# Altium PCB smallLCboard.PcbDoc (part 3 of 4)
Units mil, origin at the board's own origin, x right, y up, seen from the top; angles counter-clockwise.
Board outline 3761.03 x 3206.38 mil, 2 copper layers (Top Layer, Bottom Layer); 200 components, 0 nets, 2312 pads, 320 vias.
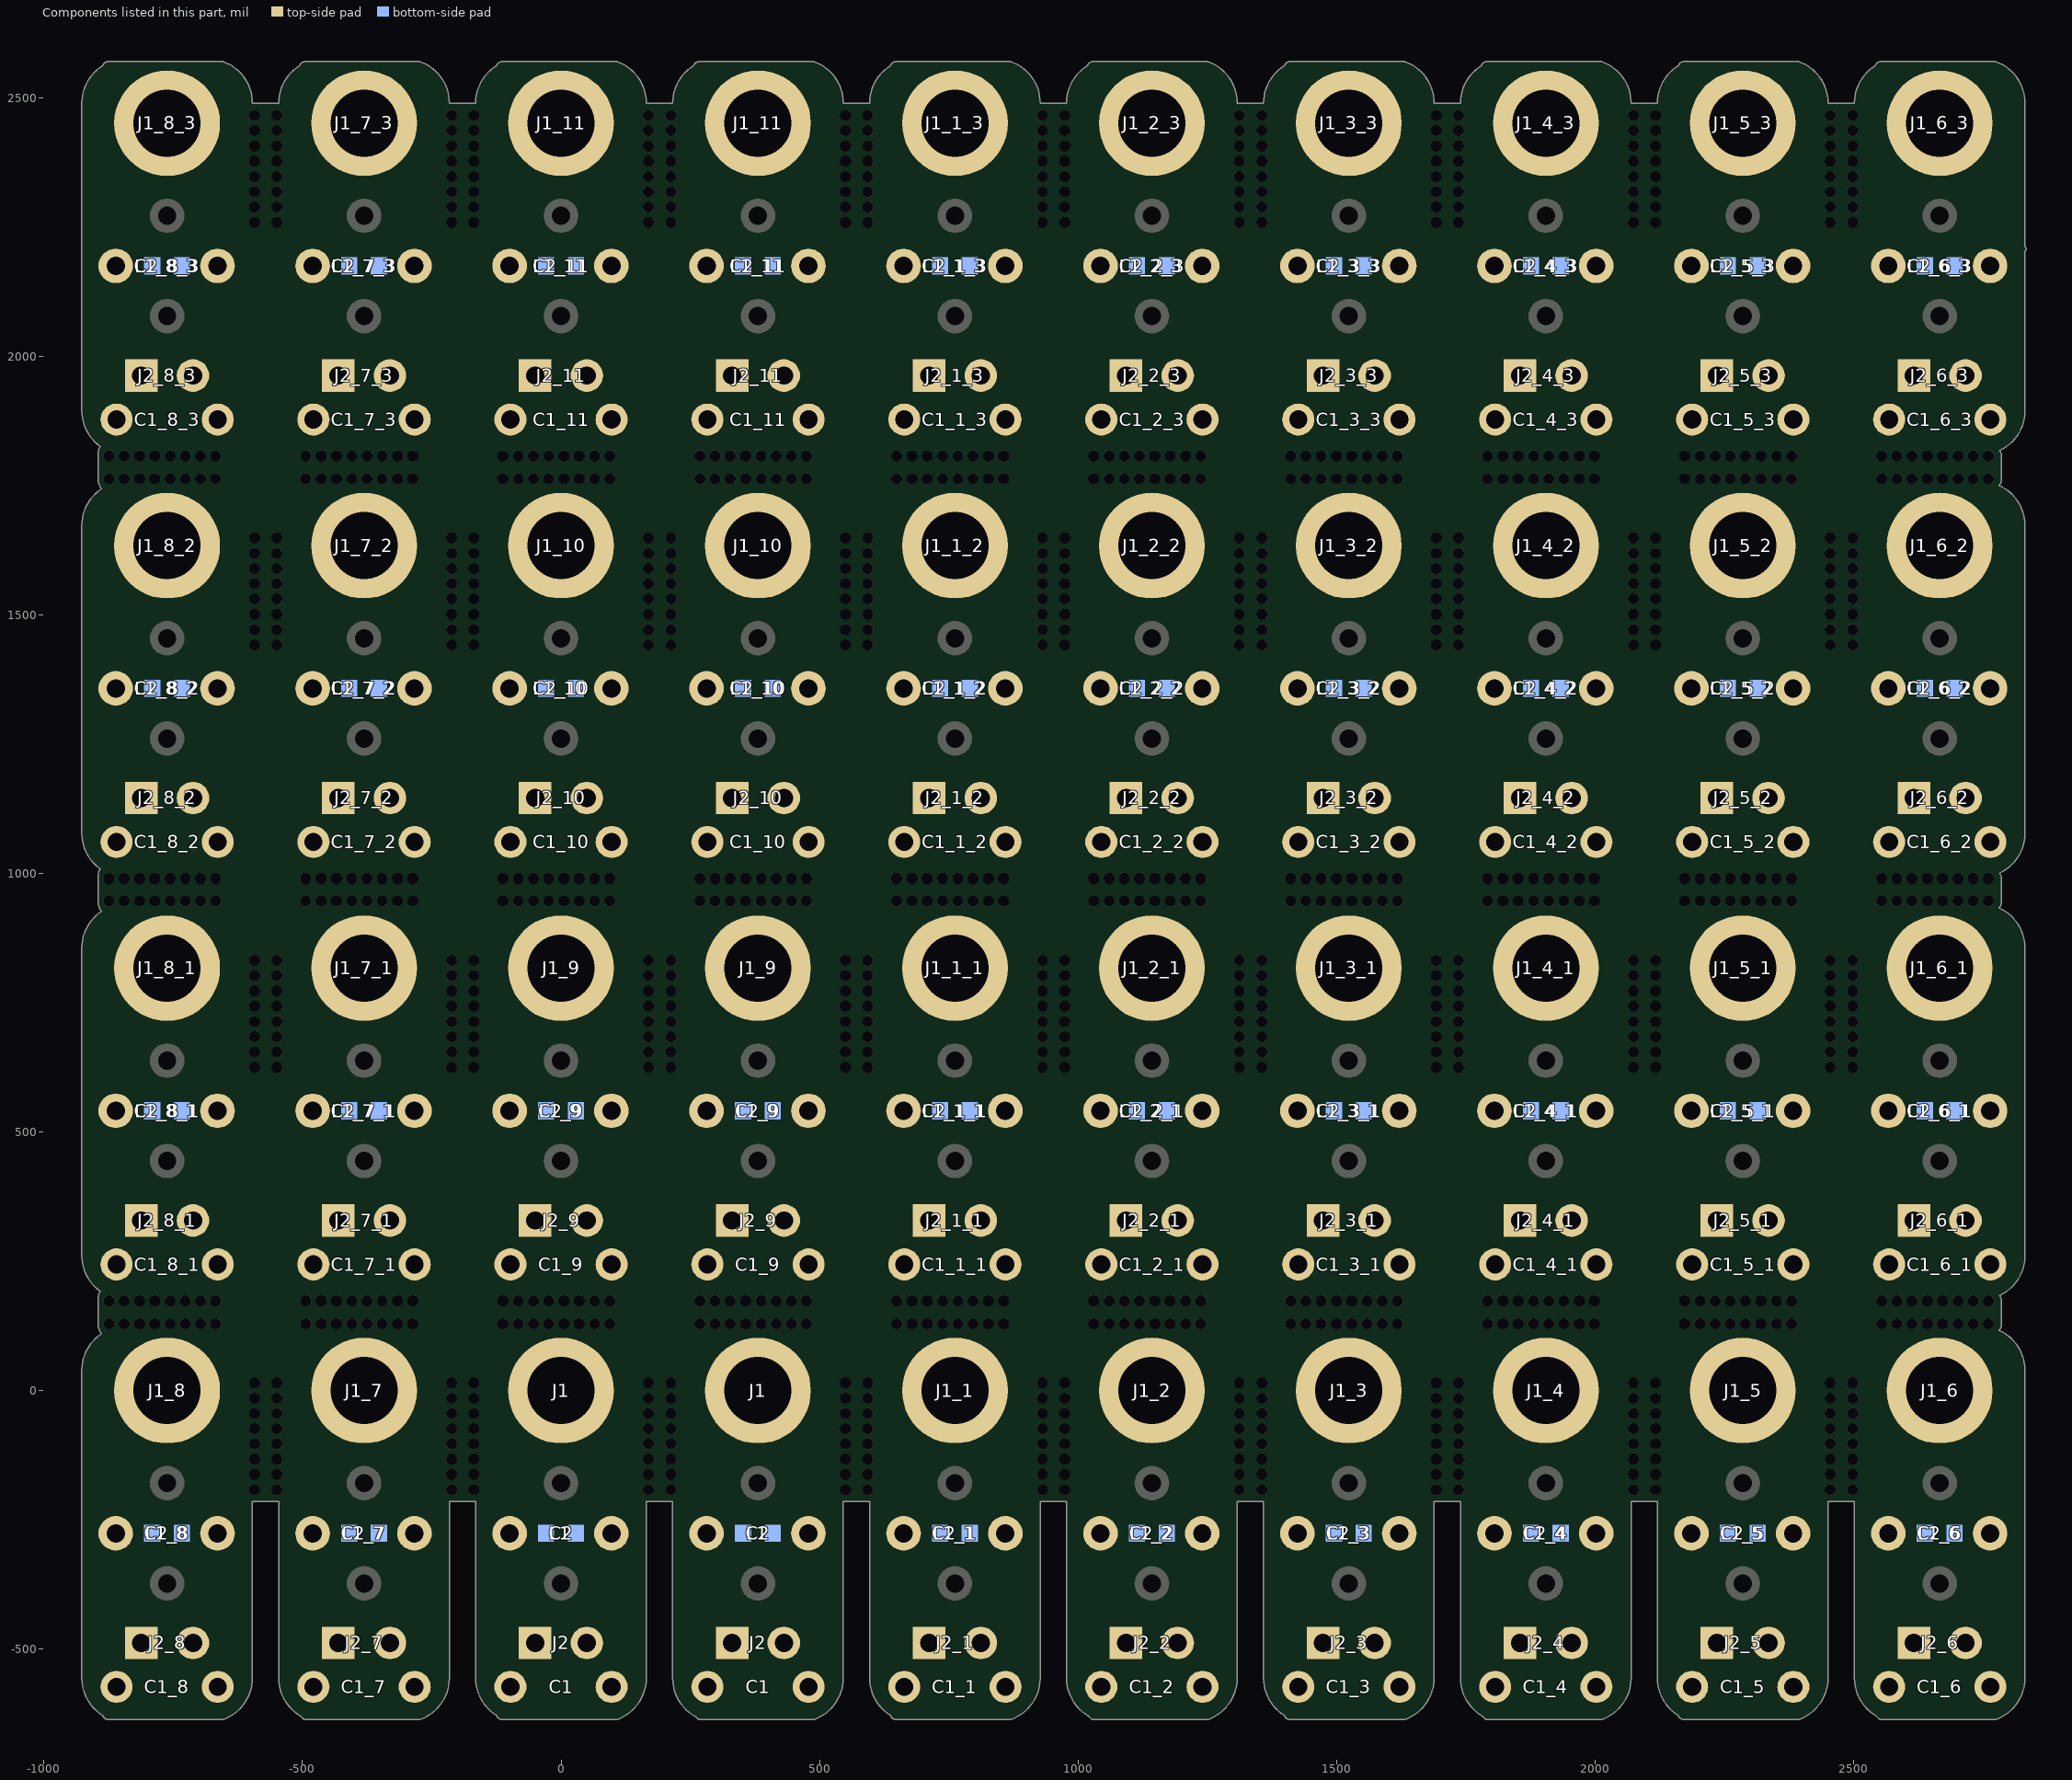
[diagram p3: the components of this part, seen from the top]

## Via types
v1: diameter 30, hole 15, Top Layer to Bottom Layer, 320 vias

## Nets (pads, with @x,y where several pads share a name; then routed paths per layer and width w, separated by ;. In a path a pad name is that pad's centre, name@x,y a point inside that pad or via, vN(x,y) a via of type N, cw(c..) or ccw(c..) an arc to the next point about the centre after c; other vN are vias at no path point) (continued)
copper on no net: | length 52901.5
  Bottom Layer w15: -832.14,-467.86 -812,-488 cw(c-901.53,-488) -838.22,-551.31 -859.92,-573 -859.92,-279.64 ccw(c-865.07,-279.64) -861.43,-276 -790.74,-276 -790.74,-303.61 ccw(c-692.61,-303.61) -762,-373 ; -832.14,349.14 -812,329 cw(c-901.53,329) -838.22,265.69 -859.92,244 -859.92,537.36 ccw(c-865.07,537.36) -861.43,541 -790.74,541 -790.74,513.39 ccw(c-692.61,513.39) -762,444 ; -832.14,1166.14 -812,1146 cw(c-901.53,1146) -838.22,1082.69 -859.92,1061 -859.92,1354.36 ccw(c-865.07,1354.36) -861.43,1358 -790.74,1358 -790.74,1330.39 ccw(c-692.61,1330.39) -762,1261 ; -832.14,1983.14 -812,1963 cw(c-901.53,1963) -838.22,1899.69 -859.92,1878 -859.92,2171.36 ccw(c-865.07,2171.36) -861.43,2175 -790.74,2175 -790.74,2147.39 ccw(c-692.61,2147.39) -762,2078 ; -762,-179 cw(c-831.39,-248.39) -733.26,-248.39 -733.26,-276 -664.57,-276 ; -762,638 cw(c-831.39,568.61) -733.26,568.61 -733.26,541 -664.57,541 ; -762,1455 cw(c-831.39,1385.61) -733.26,1385.61 -733.26,1358 -664.57,1358 ; -762,2272 cw(c-831.39,2202.61) -733.26,2202.61 -733.26,2175 -664.57,2175 ; -693.86,-469.86 -712,-488 ccw(c-622.47,-488) -685.78,-551.31 -664.08,-573 -664.08,-277.19 ccw(c-665.76,-277.19) -664.57,-276 ; -693.86,347.14 -712,329 ccw(c-622.47,329) -685.78,265.69 -664.08,244 -664.08,539.81 ccw(c-665.76,539.81) -664.57,541 ; -693.86,1164.14 -712,1146 ccw(c-622.47,1146) -685.78,1082.69 -664.08,1061 -664.08,1356.81 ccw(c-665.76,1356.81) -664.57,1358 ; -693.86,1981.14 -712,1963 ccw(c-622.47,1963) -685.78,1899.69 -664.08,1878 -664.08,2173.81 ccw(c-665.76,2173.81) -664.57,2175 ; -664.57,-399.15 -664.57,-276 ; -664.57,417.85 -664.57,541 ; -664.57,1234.85 -664.57,1358 ; -664.57,2051.85 -664.57,2175 ; -451.14,-467.86 -431,-488 cw(c-520.53,-488) -457.22,-551.31 -478.92,-573 -478.92,-279.64 ccw(c-484.07,-279.64) -480.43,-276 -409.74,-276 -409.74,-303.61 ccw(c-311.61,-303.61) -381,-373 ; -451.14,349.14 -431,329 cw(c-520.53,329) -457.22,265.69 -478.92,244 -478.92,537.36 ccw(c-484.07,537.36) -480.43,541 -409.74,541 -409.74,513.39 ccw(c-311.61,513.39) -381,444 ; -451.14,1166.14 -431,1146 cw(c-520.53,1146) -457.22,1082.69 -478.92,1061 -478.92,1354.36 ccw(c-484.07,1354.36) -480.43,1358 -409.74,1358 -409.74,1330.39 ccw(c-311.61,1330.39) -381,1261 ; -451.14,1983.14 -431,1963 cw(c-520.53,1963) -457.22,1899.69 -478.92,1878 -478.92,2171.36 ccw(c-484.07,2171.36) -480.43,2175 -409.74,2175 -409.74,2147.39 ccw(c-311.61,2147.39) -381,2078 ; -381,-179 cw(c-450.39,-248.39) -352.26,-248.39 -352.26,-276 -283.57,-276 ; -381,638 cw(c-450.39,568.61) -352.26,568.61 -352.26,541 -283.57,541 ; -381,1455 cw(c-450.39,1385.61) -352.26,1385.61 -352.26,1358 -283.57,1358 ; -381,2272 cw(c-450.39,2202.61) -352.26,2202.61 -352.26,2175 -283.57,2175 ; -312.86,-469.86 -331,-488 ccw(c-241.47,-488) -304.78,-551.31 -283.08,-573 -283.08,-277.19 ccw(c-284.76,-277.19) -283.57,-276 ; -312.86,347.14 -331,329 ccw(c-241.47,329) -304.78,265.69 -283.08,244 -283.08,539.81 ccw(c-284.76,539.81) -283.57,541 ; -312.86,1164.14 -331,1146 ccw(c-241.47,1146) -304.78,1082.69 -283.08,1061 -283.08,1356.81 ccw(c-284.76,1356.81) -283.57,1358 ; -312.86,1981.14 -331,1963 ccw(c-241.47,1963) -304.78,1899.69 -283.08,1878 -283.08,2173.81 ccw(c-284.76,2173.81) -283.57,2175 ; -283.57,-399.15 -283.57,-276 ; -283.57,417.85 -283.57,541 ; -283.57,1234.85 -283.57,1358 ; -283.57,2051.85 -283.57,2175 ; -70.14,-467.86 -50,-488 cw(c-139.53,-488) -76.22,-551.31 -97.92,-573 -97.92,-279.64 ccw(c-103.07,-279.64) -99.43,-276 -28.74,-276 -28.74,-303.61 ccw(c69.39,-303.61) 0,-373 ; -70.14,349.14 -50,329 cw(c-139.53,329) -76.22,265.69 -97.92,244 -97.92,537.36 ccw(c-103.07,537.36) -99.43,541 -28.74,541 -28.74,513.39 ccw(c69.39,513.39) 0,444 ; -70.14,1166.14 -50,1146 cw(c-139.53,1146) -76.22,1082.69 -97.92,1061 -97.92,1354.36 ccw(c-103.07,1354.36) -99.43,1358 -28.74,1358 -28.74,1330.39 ccw(c69.39,1330.39) 0,1261 ; -70.14,1983.14 -50,1963 cw(c-139.53,1963) -76.22,1899.69 -97.92,1878 -97.92,2171.36 ccw(c-103.07,2171.36) -99.43,2175 -28.74,2175 -28.74,2147.39 ccw(c69.39,2147.39) 0,2078 ; 0,-179 cw(c-69.39,-248.39) 28.74,-248.39 28.74,-276 97.43,-276 ; 0,638 cw(c-69.39,568.61) 28.74,568.61 28.74,541 97.43,541 ; 0,1455 cw(c-69.39,1385.61) 28.74,1385.61 28.74,1358 97.43,1358 ; 0,2272 cw(c-69.39,2202.61) 28.74,2202.61 28.74,2175 97.43,2175 ; 68.14,-469.86 50,-488 ccw(c139.53,-488) 76.22,-551.31 97.92,-573 97.92,-277.19 ccw(c96.24,-277.19) 97.43,-276 ; 68.14,347.14 50,329 ccw(c139.53,329) 76.22,265.69 97.92,244 97.92,539.81 ccw(c96.24,539.81) 97.43,541 ; 68.14,1164.14 50,1146 ccw(c139.53,1146) 76.22,1082.69 97.92,1061 97.92,1356.81 ccw(c96.24,1356.81) 97.43,1358 ; 68.14,1981.14 50,1963 ccw(c139.53,1963) 76.22,1899.69 97.92,1878 97.92,2173.81 ccw(c96.24,2173.81) 97.43,2175 ; 97.43,-399.15 97.43,-276 ; 97.43,417.85 97.43,541 ; 97.43,1234.85 97.43,1358 ; 97.43,2051.85 97.43,2175 ; 310.86,-467.86 331,-488 cw(c241.47,-488) 304.78,-551.31 283.08,-573 283.08,-279.64 ccw(c277.93,-279.64) 281.57,-276 352.26,-276 352.26,-303.61 ccw(c450.39,-303.61) 381,-373 ; 310.86,349.14 331,329 cw(c241.47,329) 304.78,265.69 283.08,244 283.08,537.36 ccw(c277.93,537.36) 281.57,541 352.26,541 352.26,513.39 ccw(c450.39,513.39) 381,444 ; 310.86,1166.14 331,1146 cw(c241.47,1146) 304.78,1082.69 283.08,1061 283.08,1354.36 ccw(c277.93,1354.36) 281.57,1358 352.26,1358 352.26,1330.39 ccw(c450.39,1330.39) 381,1261 ; 310.86,1983.14 331,1963 cw(c241.47,1963) 304.78,1899.69 283.08,1878 283.08,2171.36 ccw(c277.93,2171.36) 281.57,2175 352.26,2175 352.26,2147.39 ccw(c450.39,2147.39) 381,2078 ; 381,-179 cw(c311.61,-248.39) 409.74,-248.39 409.74,-276 478.43,-276 ; 381,638 cw(c311.61,568.61) 409.74,568.61 409.74,541 478.43,541 ; 381,1455 cw(c311.61,1385.61) 409.74,1385.61 409.74,1358 478.43,1358 ; 381,2272 cw(c311.61,2202.61) 409.74,2202.61 409.74,2175 478.43,2175 ; 449.14,-469.86 431,-488 ccw(c520.53,-488) 457.22,-551.31 478.92,-573 478.92,-277.19 ccw(c477.24,-277.19) 478.43,-276 ; 449.14,347.14 431,329 ccw(c520.53,329) 457.22,265.69 478.92,244 478.92,539.81 ccw(c477.24,539.81) 478.43,541 ; 449.14,1164.14 431,1146 ccw(c520.53,1146) 457.22,1082.69 478.92,1061 478.92,1356.81 ccw(c477.24,1356.81) 478.43,1358 ; 449.14,1981.14 431,1963 ccw(c520.53,1963) 457.22,1899.69 478.92,1878 478.92,2173.81 ccw(c477.24,2173.81) 478.43,2175 ; 478.43,-399.15 478.43,-276 ; 478.43,417.85 478.43,541 ; 478.43,1234.85 478.43,1358 ; 478.43,2051.85 478.43,2175 ; 691.86,-467.86 712,-488 cw(c622.47,-488) 685.78,-551.31 664.08,-573 664.08,-279.64 ccw(c658.93,-279.64) 662.57,-276 733.26,-276 733.26,-303.61 ccw(c831.39,-303.61) 762,-373 ; 691.86,349.14 712,329 cw(c622.47,329) 685.78,265.69 664.08,244 664.08,537.36 ccw(c658.93,537.36) 662.57,541 733.26,541 733.26,513.39 ccw(c831.39,513.39) 762,444 ; 691.86,1166.14 712,1146 cw(c622.47,1146) 685.78,1082.69 664.08,1061 664.08,1354.36 ccw(c658.93,1354.36) 662.57,1358 733.26,1358 733.26,1330.39 ccw(c831.39,1330.39) 762,1261 ; 691.86,1983.14 712,1963 cw(c622.47,1963) 685.78,1899.69 664.08,1878 664.08,2171.36 ccw(c658.93,2171.36) 662.57,2175 733.26,2175 733.26,2147.39 ccw(c831.39,2147.39) 762,2078 ; 762,-179 cw(c692.61,-248.39) 790.74,-248.39 790.74,-276 859.43,-276 ; 762,638 cw(c692.61,568.61) 790.74,568.61 790.74,541 859.43,541 ; 762,1455 cw(c692.61,1385.61) 790.74,1385.61 790.74,1358 859.43,1358 ; 762,2272 cw(c692.61,2202.61) 790.74,2202.61 790.74,2175 859.43,2175 ; 830.14,-469.86 812,-488 ccw(c901.53,-488) 838.22,-551.31 859.92,-573 859.92,-277.19 ccw(c858.24,-277.19) 859.43,-276 ; 830.14,347.14 812,329 ccw(c901.53,329) 838.22,265.69 859.92,244 859.92,539.81 ccw(c858.24,539.81) 859.43,541 ; 830.14,1164.14 812,1146 ccw(c901.53,1146) 838.22,1082.69 859.92,1061 859.92,1356.81 ccw(c858.24,1356.81) 859.43,1358 ; 830.14,1981.14 812,1963 ccw(c901.53,1963) 838.22,1899.69 859.92,1878 859.92,2173.81 ccw(c858.24,2173.81) 859.43,2175 ; 859.43,-399.15 859.43,-276 ; 859.43,417.85 859.43,541 ; 859.43,1234.85 859.43,1358 ; 859.43,2051.85 859.43,2175 ; 1072.86,-467.86 1093,-488 cw(c1003.47,-488) 1066.78,-551.31 1045.08,-573 1045.08,-279.64 ccw(c1039.93,-279.64) 1043.57,-276 1114.26,-276 1114.26,-303.61 ccw(c1212.39,-303.61) 1143,-373 ; 1072.86,349.14 1093,329 cw(c1003.47,329) 1066.78,265.69 1045.08,244 1045.08,537.36 ccw(c1039.93,537.36) 1043.57,541 1114.26,541 1114.26,513.39 ccw(c1212.39,513.39) 1143,444 ; 1072.86,1166.14 1093,1146 cw(c1003.47,1146) 1066.78,1082.69 1045.08,1061 1045.08,1354.36 ccw(c1039.93,1354.36) 1043.57,1358 1114.26,1358 1114.26,1330.39 ccw(c1212.39,1330.39) 1143,1261 ; 1072.86,1983.14 1093,1963 cw(c1003.47,1963) 1066.78,1899.69 1045.08,1878 1045.08,2171.36 ccw(c1039.93,2171.36) 1043.57,2175 1114.26,2175 1114.26,2147.39 ccw(c1212.39,2147.39) 1143,2078 ; 1143,-179 cw(c1073.61,-248.39) 1171.74,-248.39 1171.74,-276 1240.43,-276 ; 1143,638 cw(c1073.61,568.61) 1171.74,568.61 1171.74,541 1240.43,541 ; 1143,1455 cw(c1073.61,1385.61) 1171.74,1385.61 1171.74,1358 1240.43,1358 ; 1143,2272 cw(c1073.61,2202.61) 1171.74,2202.61 1171.74,2175 1240.43,2175 ; 1211.14,-469.86 1193,-488 ccw(c1282.53,-488) 1219.22,-551.31 1240.92,-573 1240.92,-277.19 ccw(c1239.24,-277.19) 1240.43,-276 ; 1211.14,347.14 1193,329 ccw(c1282.53,329) 1219.22,265.69 1240.92,244 1240.92,539.81 ccw(c1239.24,539.81) 1240.43,541 ; 1211.14,1164.14 1193,1146 ccw(c1282.53,1146) 1219.22,1082.69 1240.92,1061 1240.92,1356.81 ccw(c1239.24,1356.81) 1240.43,1358 ; 1211.14,1981.14 1193,1963 ccw(c1282.53,1963) 1219.22,1899.69 1240.92,1878 1240.92,2173.81 ccw(c1239.24,2173.81) 1240.43,2175 ; 1240.43,-399.15 1240.43,-276 ; 1240.43,417.85 1240.43,541 ; 1240.43,1234.85 1240.43,1358 ; 1240.43,2051.85 1240.43,2175 ; 1453.86,-467.86 1474,-488 cw(c1384.47,-488) 1447.78,-551.31 1426.08,-573 1426.08,-279.64 ccw(c1420.93,-279.64) 1424.57,-276 1495.26,-276 1495.26,-303.61 ccw(c1593.39,-303.61) 1524,-373 ; 1453.86,349.14 1474,329 cw(c1384.47,329) 1447.78,265.69 1426.08,244 1426.08,537.36 ccw(c1420.93,537.36) 1424.57,541 1495.26,541 1495.26,513.39 ccw(c1593.39,513.39) 1524,444 ; 1453.86,1166.14 1474,1146 cw(c1384.47,1146) 1447.78,1082.69 1426.08,1061 1426.08,1354.36 ccw(c1420.93,1354.36) 1424.57,1358 1495.26,1358 1495.26,1330.39 ccw(c1593.39,1330.39) 1524,1261 ; 1453.86,1983.14 1474,1963 cw(c1384.47,1963) 1447.78,1899.69 1426.08,1878 1426.08,2171.36 ccw(c1420.93,2171.36) 1424.57,2175 1495.26,2175 1495.26,2147.39 ccw(c1593.39,2147.39) 1524,2078 ; 1524,-179 cw(c1454.61,-248.39) 1552.74,-248.39 1552.74,-276 1621.43,-276 ; 1524,638 cw(c1454.61,568.61) 1552.74,568.61 1552.74,541 1621.43,541 ; 1524,1455 cw(c1454.61,1385.61) 1552.74,1385.61 1552.74,1358 1621.43,1358 ; 1524,2272 cw(c1454.61,2202.61) 1552.74,2202.61 1552.74,2175 1621.43,2175 ; 1592.14,-469.86 1574,-488 ccw(c1663.53,-488) 1600.22,-551.31 1621.92,-573 1621.92,-277.19 ccw(c1620.24,-277.19) 1621.43,-276 ; 1592.14,347.14 1574,329 ccw(c1663.53,329) 1600.22,265.69 1621.92,244 1621.92,539.81 ccw(c1620.24,539.81) 1621.43,541 ; 1592.14,1164.14 1574,1146 ccw(c1663.53,1146) 1600.22,1082.69 1621.92,1061 1621.92,1356.81 ccw(c1620.24,1356.81) 1621.43,1358 ; 1592.14,1981.14 1574,1963 ccw(c1663.53,1963) 1600.22,1899.69 1621.92,1878 1621.92,2173.81 ccw(c1620.24,2173.81) 1621.43,2175 ; 1621.43,-399.15 1621.43,-276 ; 1621.43,417.85 1621.43,541 ; 1621.43,1234.85 1621.43,1358 ; 1621.43,2051.85 1621.43,2175 ; 1834.86,-467.86 1855,-488 cw(c1765.47,-488) 1828.78,-551.31 1807.08,-573 1807.08,-279.64 ccw(c1801.93,-279.64) 1805.57,-276 1876.26,-276 1876.26,-303.61 ccw(c1974.39,-303.61) 1905,-373 ; 1834.86,349.14 1855,329 cw(c1765.47,329) 1828.78,265.69 1807.08,244 1807.08,537.36 ccw(c1801.93,537.36) 1805.57,541 1876.26,541 1876.26,513.39 ccw(c1974.39,513.39) 1905,444 ; 1834.86,1166.14 1855,1146 cw(c1765.47,1146) 1828.78,1082.69 1807.08,1061 1807.08,1354.36 ccw(c1801.93,1354.36) 1805.57,1358 1876.26,1358 1876.26,1330.39 ccw(c1974.39,1330.39) 1905,1261 ; 1834.86,1983.14 1855,1963 cw(c1765.47,1963) 1828.78,1899.69 1807.08,1878 1807.08,2171.36 ccw(c1801.93,2171.36) 1805.57,2175 1876.26,2175 1876.26,2147.39 ccw(c1974.39,2147.39) 1905,2078 ; 1905,-179 cw(c1835.61,-248.39) 1933.74,-248.39 1933.74,-276 2002.43,-276 ; 1905,638 cw(c1835.61,568.61) 1933.74,568.61 1933.74,541 2002.43,541 ; 1905,1455 cw(c1835.61,1385.61) 1933.74,1385.61 1933.74,1358 2002.43,1358 ; 1905,2272 cw(c1835.61,2202.61) 1933.74,2202.61 1933.74,2175 2002.43,2175 ; 1973.14,-469.86 1955,-488 ccw(c2044.53,-488) 1981.22,-551.31 2002.92,-573 2002.92,-277.19 ccw(c2001.24,-277.19) 2002.43,-276 ; 1973.14,347.14 1955,329 ccw(c2044.53,329) 1981.22,265.69 2002.92,244 2002.92,539.81 ccw(c2001.24,539.81) 2002.43,541 ; 1973.14,1164.14 1955,1146 ccw(c2044.53,1146) 1981.22,1082.69 2002.92,1061 2002.92,1356.81 ccw(c2001.24,1356.81) 2002.43,1358 ; 1973.14,1981.14 1955,1963 ccw(c2044.53,1963) 1981.22,1899.69 2002.92,1878 2002.92,2173.81 ccw(c2001.24,2173.81) 2002.43,2175 ; 2002.43,-399.15 2002.43,-276 ; 2002.43,417.85 2002.43,541 ; 2002.43,1234.85 2002.43,1358 ; 2002.43,2051.85 2002.43,2175 ; 2215.86,-467.86 2236,-488 cw(c2146.47,-488) 2209.78,-551.31 2188.08,-573 2188.08,-279.64 ccw(c2182.93,-279.64) 2186.57,-276 2257.26,-276 2257.26,-303.61 ccw(c2355.39,-303.61) 2286,-373 ; 2215.86,349.14 2236,329 cw(c2146.47,329) 2209.78,265.69 2188.08,244 2188.08,537.36 ccw(c2182.93,537.36) 2186.57,541 2257.26,541 2257.26,513.39 ccw(c2355.39,513.39) 2286,444 ; 2215.86,1166.14 2236,1146 cw(c2146.47,1146) 2209.78,1082.69 2188.08,1061 2188.08,1354.36 ccw(c2182.93,1354.36) 2186.57,1358 2257.26,1358 2257.26,1330.39 ccw(c2355.39,1330.39) 2286,1261 ; 2215.86,1983.14 2236,1963 cw(c2146.47,1963) 2209.78,1899.69 2188.08,1878 2188.08,2171.36 ccw(c2182.93,2171.36) 2186.57,2175 2257.26,2175 2257.26,2147.39 ccw(c2355.39,2147.39) 2286,2078 ; 2286,-179 cw(c2216.61,-248.39) 2314.74,-248.39 2314.74,-276 2383.43,-276 ; 2286,638 cw(c2216.61,568.61) 2314.74,568.61 2314.74,541 2383.43,541 ; 2286,1455 cw(c2216.61,1385.61) 2314.74,1385.61 2314.74,1358 2383.43,1358 ; 2286,2272 cw(c2216.61,2202.61) 2314.74,2202.61 2314.74,2175 2383.43,2175 ; 2354.14,-469.86 2336,-488 ccw(c2425.53,-488) 2362.22,-551.31 2383.92,-573 2383.92,-277.19 ccw(c2382.24,-277.19) 2383.43,-276 ; 2354.14,347.14 2336,329 ccw(c2425.53,329) 2362.22,265.69 2383.92,244 2383.92,539.81 ccw(c2382.24,539.81) 2383.43,541 ; 2354.14,1164.14 2336,1146 ccw(c2425.53,1146) 2362.22,1082.69 2383.92,1061 2383.92,1356.81 ccw(c2382.24,1356.81) 2383.43,1358 ; 2354.14,1981.14 2336,1963 ccw(c2425.53,1963) 2362.22,1899.69 2383.92,1878 2383.92,2173.81 ccw(c2382.24,2173.81) 2383.43,2175 ; 2383.43,-399.15 2383.43,-276 ; 2383.43,417.85 2383.43,541 ; 2383.43,1234.85 2383.43,1358 ; 2383.43,2051.85 2383.43,2175 ; 2596.86,-467.86 2617,-488 cw(c2527.47,-488) 2590.78,-551.31 2569.08,-573 2569.08,-279.64 ccw(c2563.93,-279.64) 2567.57,-276 2638.26,-276 2638.26,-303.61 ccw(c2736.39,-303.61) 2667,-373 ; 2596.86,349.14 2617,329 cw(c2527.47,329) 2590.78,265.69 2569.08,244 2569.08,537.36 ccw(c2563.93,537.36) 2567.57,541 2638.26,541 2638.26,513.39 ccw(c2736.39,513.39) 2667,444 ; 2596.86,1166.14 2617,1146 cw(c2527.47,1146) 2590.78,1082.69 2569.08,1061 2569.08,1354.36 ccw(c2563.93,1354.36) 2567.57,1358 2638.26,1358 2638.26,1330.39 ccw(c2736.39,1330.39) 2667,1261 ; 2596.86,1983.14 2617,1963 cw(c2527.47,1963) 2590.78,1899.69 2569.08,1878 2569.08,2171.36 ccw(c2563.93,2171.36) 2567.57,2175 2638.26,2175 2638.26,2147.39 ccw(c2736.39,2147.39) 2667,2078 ; 2667,-179 cw(c2597.61,-248.39) 2695.74,-248.39 2695.74,-276 2764.43,-276 ; 2667,638 cw(c2597.61,568.61) 2695.74,568.61 2695.74,541 2764.43,541 ; 2667,1455 cw(c2597.61,1385.61) 2695.74,1385.61 2695.74,1358 2764.43,1358 ; 2667,2272 cw(c2597.61,2202.61) 2695.74,2202.61 2695.74,2175 2764.43,2175 ; 2735.14,-469.86 2717,-488 ccw(c2806.53,-488) 2743.22,-551.31 2764.92,-573 2764.92,-277.19 ccw(c2763.24,-277.19) 2764.43,-276 ; 2735.14,347.14 2717,329 ccw(c2806.53,329) 2743.22,265.69 2764.92,244 2764.92,539.81 ccw(c2763.24,539.81) 2764.43,541 ; 2735.14,1164.14 2717,1146 ccw(c2806.53,1146) 2743.22,1082.69 2764.92,1061 2764.92,1356.81 ccw(c2763.24,1356.81) 2764.43,1358 ; 2735.14,1981.14 2717,1963 ccw(c2806.53,1963) 2743.22,1899.69 2764.92,1878 2764.92,2173.81 ccw(c2763.24,2173.81) 2764.43,2175 ; 2764.43,-399.15 2764.43,-276 ; 2764.43,417.85 2764.43,541 ; 2764.43,1234.85 2764.43,1358 ; 2764.43,2051.85 2764.43,2175
  other v1: -760,-85 -379,-85 2,-85 383,-85 764,-85 1145,-85 1526,-85 1907,-85 2288,-85 2669,-85 -820,-60 -700,-60 -439,-60 -319,-60 -58,-60 62,-60 323,-60 443,-60 704,-60 824,-60 1085,-60 1205,-60 1466,-60 1586,-60 1847,-60 1967,-60 2228,-60 2348,-60 2609,-60 2729,-60 -845,0 -675,0 -464,0 -294,0 -83,0 87,0 298,0 468,0 679,0 849,0 1060,0 1230,0 1441,0 1611,0 1822,0 1992,0 2203,0 2373,0 2584,0 2754,0 -820,60 -700,60 -439,60 -319,60 -58,60 62,60 323,60 443,60 704,60 824,60 1085,60 1205,60 1466,60 1586,60 1847,60 1967,60 2228,60 2348,60 2609,60 2729,60 -760,85 -379,85 2,85 383,85 764,85 1145,85 1526,85 1907,85 2288,85 2669,85 -760,732 -379,732 2,732 383,732 764,732 1145,732 1526,732 1907,732 2288,732 2669,732 -820,757 -700,757 -439,757 -319,757 -58,757 62,757 323,757 443,757 704,757 824,757 1085,757 1205,757 1466,757 1586,757 1847,757 1967,757 2228,757 2348,757 2609,757 2729,757 -845,817 -675,817 -464,817 -294,817 -83,817 87,817 298,817 468,817 679,817 849,817 1060,817 1230,817 1441,817 1611,817 1822,817 1992,817 2203,817 2373,817 2584,817 2754,817 -820,877 -700,877 -439,877 -319,877 -58,877 62,877 323,877 443,877 704,877 824,877 1085,877 1205,877 1466,877 1586,877 1847,877 1967,877 2228,877 2348,877 2609,877 2729,877 -760,902 -379,902 2,902 383,902 764,902 1145,902 1526,902 1907,902 2288,902 2669,902 -760,1549 -379,1549 2,1549 383,1549 764,1549 1145,1549 1526,1549 1907,1549 2288,1549 2669,1549 -820,1574 -700,1574 -439,1574 -319,1574 -58,1574 62,1574 323,1574 443,1574 704,1574 824,1574 1085,1574 1205,1574 1466,1574 1586,1574 1847,1574 1967,1574 2228,1574 2348,1574 2609,1574 2729,1574 -845,1634 -675,1634 -464,1634 -294,1634 -83,1634 87,1634 298,1634 468,1634 679,1634 849,1634 1060,1634 1230,1634 1441,1634 1611,1634 1822,1634 1992,1634 2203,1634 2373,1634 2584,1634 2754,1634 -820,1694 -700,1694 -439,1694 -319,1694 -58,1694 62,1694 323,1694 443,1694 704,1694 824,1694 1085,1694 1205,1694 1466,1694 1586,1694 1847,1694 1967,1694 2228,1694 2348,1694 2609,1694 2729,1694 -760,1719 -379,1719 2,1719 383,1719 764,1719 1145,1719 1526,1719 1907,1719 2288,1719 2669,1719 -760,2366 -379,2366 2,2366 383,2366 764,2366 1145,2366 1526,2366 1907,2366 2288,2366 2669,2366 -820,2391 -700,2391 -439,2391 -319,2391 -58,2391 62,2391 323,2391 443,2391 704,2391 824,2391 1085,2391 1205,2391 1466,2391 1586,2391 1847,2391 1967,2391 2228,2391 2348,2391 2609,2391 2729,2391 -845,2451 -675,2451 -464,2451 -294,2451 -83,2451 87,2451 298,2451 468,2451 679,2451 849,2451 1060,2451 1230,2451 1441,2451 1611,2451 1822,2451 1992,2451 2203,2451 2373,2451 2584,2451 2754,2451 -820,2511 -700,2511 -439,2511 -319,2511 -58,2511 62,2511 323,2511 443,2511 704,2511 824,2511 1085,2511 1205,2511 1466,2511 1586,2511 1847,2511 1967,2511 2228,2511 2348,2511 2609,2511 2729,2511 -760,2536 -379,2536 2,2536 383,2536 764,2536 1145,2536 1526,2536 1907,2536 2288,2536 2669,2536
